# Altium PCB Copy of GameBoard_V1I1_083018.PcbDoc (part 9 of 21)
Units mil, origin at the board's own origin, x right, y up, seen from the top; angles counter-clockwise.
Board outline 7165.35 x 2763.78 mil, 12 copper layers (L1, L2, L3, L4, L5 (PWR), L6 (PWR), L7 (PWR), L8 (PWR), L9, L10, L11, L12), stack 61.575 mil thick; 1542 components, 1068 nets, 5447 pads, 3797 vias.
Unrouted connection lines stored in the file: 105.
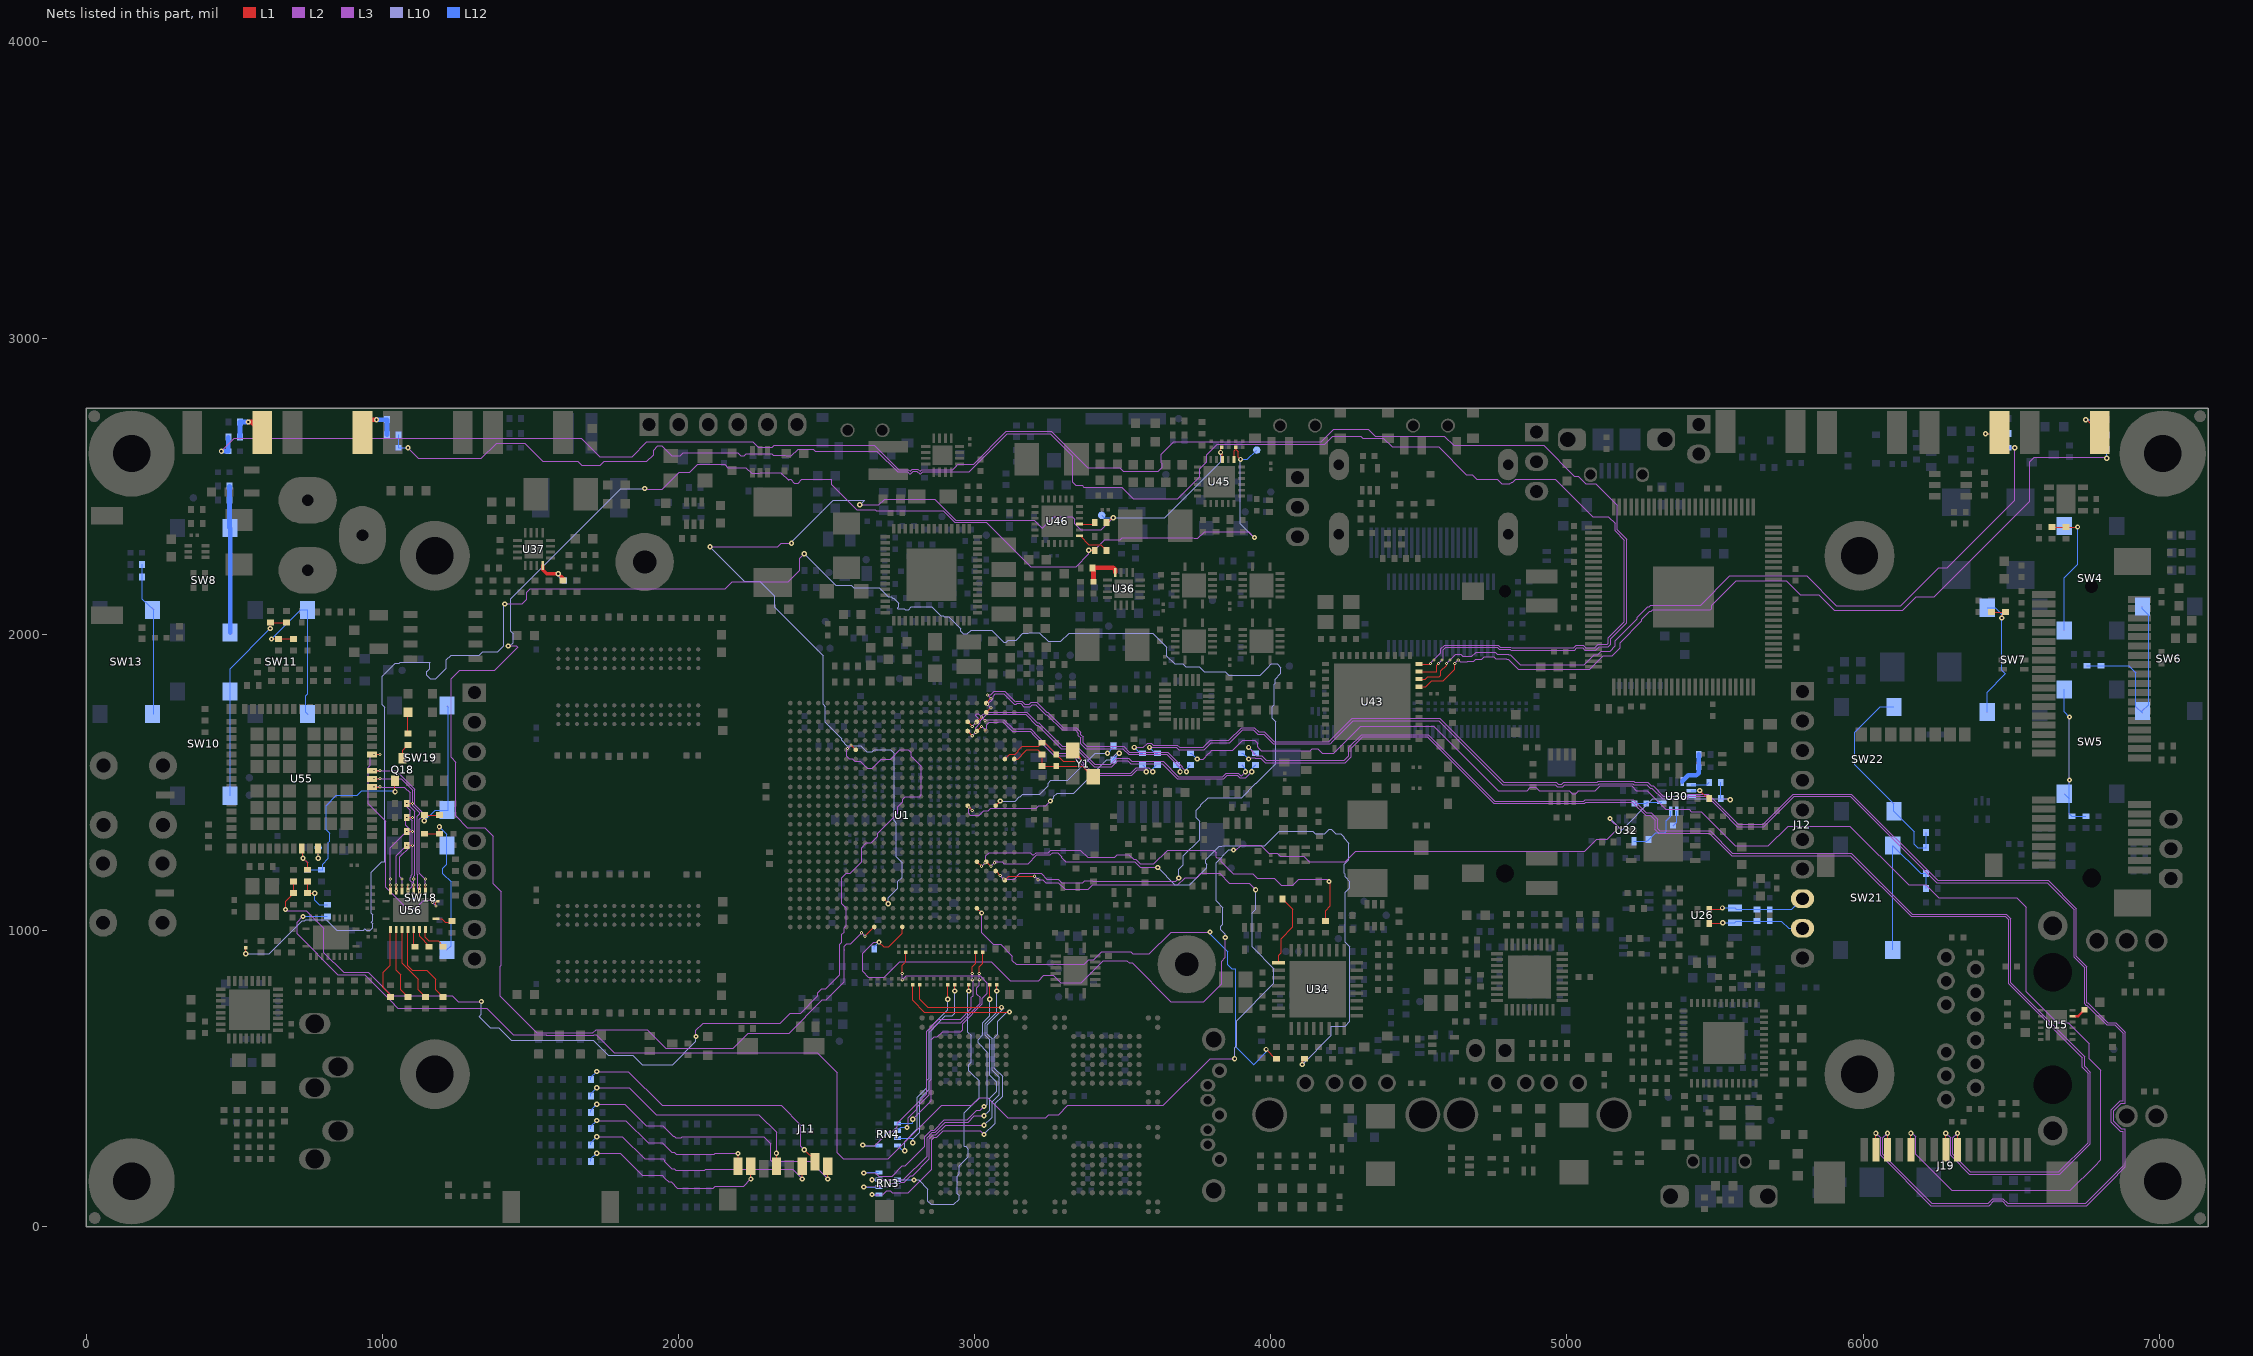
[diagram p19: the nets of this part, all layers, seen from the top]

## Via types
v1: diameter 17.72, hole 7.87, L1 to L12, 1936 vias
v2: diameter 17.72, hole 7.87, L1 to L12, tented both sides, 999 vias
v3: diameter 10.63, hole 3.94, L1 to L2, 337 vias
v4: diameter 10.63, hole 3.94, L2 to L3, 335 vias
v5: diameter 10.63, hole 3.94, L10 to L11, 96 vias
v6: diameter 10.63, hole 3.94, L11 to L12, 94 vias

## Nets (pads, with @x,y where several pads share a name; then routed paths per layer and width w, separated by ;. In a path a pad name is that pad's centre, name@x,y a point inside that pad or via, vN(x,y) a via of type N, cw(c..) or ccw(c..) an arc to the next point about the centre after c; other vN are vias at no path point) (continued)
BOOT_CFG_22: R664.2 RN4.8 | length 786.5
  L1 w3.94: v3(3015.75,854.33) 3015.75,877.95 3027.56,889.76 R664.2@3027.56,926.57
  L3 w3.94: v2(2771.65,334.65) 2776.57,339.57 2776.57,368.32 2805.12,396.86 2805.12,403.54 2846.46,444.88 2846.46,656.92 2878.51,688.98 2952.76,688.98 3018.7,754.92 3018.7,773.83 3007.87,784.66 3007.87,807.09 3015.75,814.96 v4(3015.75,833.27)
  L2 w3.94: v4(3015.75,833.27) v3(3015.75,854.33)
  L12 w3.94: RN4.8@2740.16,323.54 2751.26,334.65 v2(2771.65,334.65)
BOOT_CFG_23: R665.2 RN4.10 | length 651.7
  L1 w3.94: v2(2909.45,767.72) R665.2@2909.45,816.34
  L10 w3.94: v2(2763.78,255.91) 2763.78,286.88 2807.09,330.19 2807.09,437.01 2838.58,468.5 2838.58,493.48 2846.46,501.35 2846.46,664.8 2847.44,665.78 2847.44,666.86 2854.33,673.75 2854.33,677.17 2909.45,732.28 v2(2909.45,767.72)
  L12 w3.94: RN4.10@2740.16,273.54 2757.8,255.91 v2(2763.78,255.91)
BOOT_CFG_24: R666.2 RN4.2 | length 943.2
  L1 w3.94: v3(2992.13,854.33) 2992.13,877.95 3003.94,889.76 R666.2@3003.94,925.2
  L3 w3.94: v2(2622.05,275.59) 2624.09,273.54 2663.31,273.54 2709.65,319.88 2721.3,319.88 2739.17,337.76 2739.17,349.41 2838.58,448.82 2838.58,660.18 2879.19,700.79 2952.76,700.79 2989.17,737.2 2989.17,773.83 2995.08,779.74 2995.08,830.31 v4(2992.13,833.27)
  L2 w3.94: v4(2992.13,833.27) v3(2992.13,854.33)
  L12 w3.94: v2(2622.05,275.59) 2624.09,273.54 RN4.2@2677.17,273.54
BOOT_CFG_25: R667.2 RN4.7 | length 1072.2
  L1 w3.94: v3(2755.91,854.33) 2755.91,881.89 2767.72,893.7 R667.2@2767.72,926.57
  L3 w3.94: v4(2755.91,833.27) 2769.09,846.46 3019.26,846.46 3043.31,822.41 3043.31,787.4 3026.57,770.67 3026.57,751.66 2960.63,685.71 2960.63,665.35 2953.74,658.46 2891.94,658.46 2874.23,640.75 2863.96,640.75 2854.33,631.12 2854.33,425.2 v2(2791.34,362.2)
  L2 w3.94: v4(2755.91,833.27) v3(2755.91,854.33)
  L12 w3.94: RN4.7@2740.16,348.5 2741.06,349.41 2777.77,349.41 2778.67,348.5 2789.29,348.5 2791.34,350.55 v2(2791.34,362.2)
BOOT_CFG_26: R668.2 RN3.8 | length 1071.3
  L1 w3.94: v2(2980.32,795.28) R668.2@2980.32,816.34
  L10 w3.94: v2(2795.28,157.48) 2811.02,157.48 2842.52,125.98 2842.52,85.26 2852.98,74.8 2930.33,74.8 2947.83,92.31 2947.83,104.54 2941.98,110.4 2941.98,149.92 2940.95,150.96 2940.95,157.48 2941.93,158.46 2941.93,170.79 2948.82,177.68 2948.82,204.72 2979.33,235.24 2979.33,262.02 2970.68,270.67 2964.57,270.67 2964.57,384.48 3015.75,435.66 3015.75,492.13 2991.14,516.73 2989.95,516.73 2980.32,526.37 2980.32,547.24 2988.19,555.12 2988.19,645.67 2977.36,656.5 2977.36,792.32 v2(2980.32,795.28)
  L12 w3.94: RN3.8@2740.16,158.19 2763.78,158.19 2764.49,157.48 v2(2795.28,157.48)
BOOT_CFG_27: R669.2 RN3.3 | length 1389
  L1 w3.94: R669.2@2814.96,816.34 2814.96,767.72 2842.52,740.16 v2(3090.55,740.16)
  L3 w3.94: v2(2625.98,133.86) 2708.66,133.86 2720.72,145.91 2747.42,145.91 2751.82,150.32 2762.96,150.32 2784.89,172.24 2790.35,172.24 2847.44,229.33 2847.44,296.78 2860.7,310.04 2869.55,310.04 2902.03,342.52 v2(3031.5,342.52)
  L10 w3.94: v2(3031.5,342.52) 3059.06,370.08 3059.06,421.26 3082.68,444.88 3082.68,503.94 3059.06,527.56 3059.06,633.86 3043.31,649.61 3043.31,681.78 3098.43,736.9 3090.55,744.77 v2(3090.55,740.16)
  L12 w3.94: v2(2625.98,133.86) 2626.69,133.15 RN3.3@2677.17,133.15
BOOT_CFG_28: R670.2 RN4.9 | length 676.2
  L1 w3.94: v2(2933.07,795.28) R670.2@2933.07,816.34
  L10 w3.94: v2(2791.34,283.46) 2791.34,295.28 2815.37,319.31 2815.37,423.67 2816.31,424.61 2816.31,433.07 2846.46,463.22 2846.46,490.22 2854.33,498.09 2854.33,661.53 2855.32,662.52 2855.32,663.6 2862.2,670.49 2862.2,673.23 2901.57,712.6 2925.2,712.6 2933.07,720.47 v2(2933.07,795.28)
  L12 w3.94: RN4.9@2740.16,298.5 2794.57,298.5 2791.34,295.28 v2(2791.34,283.46)
BOOT_CFG_29: R671.2 RN3.2 | length 1435
  L1 w3.94: R671.2@2791.34,816.34 2791.34,763.78 2830.71,724.41 v2(3118.11,724.41)
  L3 w3.94: v2(2653.54,108.19) 2689.67,108.19 2702.55,121.06 2714.78,121.06 2721.67,114.17 2775.59,114.17 2855.32,193.9 2855.32,293.52 2863.96,302.17 2872.81,302.17 2893.48,322.83 3019.69,322.83 v2(3031.5,311.02)
  L10 w3.94: v2(3031.5,311.02) 3069.88,349.41 3069.88,416.34 3094.49,440.94 3094.49,507.87 3066.93,535.43 3066.93,637.8 3078.74,649.61 3078.74,692.91 3114.17,728.35 v2(3118.11,724.41)
  L12 w3.94: v2(2653.54,108.19) RN3.2@2677.17,108.19
BOOT_CFG_30: R672.2 RN3.4 | length 1020.2
  L1 w3.94: v2(3074.8,795.28) R672.2@3074.8,816.34
  L3 w3.94: v2(2653.54,158.19) 2759.7,158.19 2839.57,238.06 2839.57,300.04 2857.44,317.91 2866.29,317.91 2900.9,352.52 2977.83,352.52 2999.32,374.02 v2(3031.5,374.02)
  L10 w3.94: v2(3031.5,374.02) 3051.18,393.7 3051.18,432.8 3074.8,456.42 3074.8,488.19 3051.18,511.81 3051.18,630.6 3035.43,646.34 3035.43,685.04 3074.8,724.41 v2(3074.8,795.28)
  L12 w3.94: v2(2653.54,158.19) RN3.4@2677.17,158.19
BOOT_CFG_31: R673.2 RN3.5 | length 1025.9
  L1 w3.94: v2(3051.18,767.72) R673.2@3051.18,816.34
  L3 w3.94: v2(2625.98,181.1) 2665.35,181.1 2676.18,170.28 2721.46,170.28 2755.91,204.72 2765.69,204.72 2831.69,270.73 2831.69,303.3 2854.18,325.79 2863.03,325.79 2897.64,360.4 2974.57,360.4 3007.87,393.7 3019.69,393.7 v1(3031.5,405.51)
  L10 w3.94: v1(3031.5,405.51) 3035.43,405.51 3043.31,413.39 3043.31,589.36 3011.81,620.85 3011.81,631.27 3027.56,647.02 3027.56,653.54 3027.56,688.3 3051.18,711.92 v2(3051.18,767.72)
  L12 w3.94: v2(2625.98,181.1) 2628.03,183.15 RN3.5@2677.17,183.15
BOOT_CLK: J11.5 R618.2 R619.2 | length 819.4
  L1 w3.66: J11.5@2331.3,203.74 v2@2331.3,248.03
  L3 w3.66: v1(1724.41,468.5) 1834.09,468.5 1924.65,377.95 2271.65,377.95 2331.3,318.31 v2@2331.3,248.03
  L12 w3.66: R618.2@1704.72,440.95 1704.72,448.82 v1(1724.41,468.5)
  other v2: 2330.71,248.03
BOOT_CMD: J11.3 R616.2 R617.2 | length 835.8
  L1 w3.66: v2(2417.91,160.83) J11.3@2417.91,203.74
  L3 w3.66: v1(1724.41,303.15) 1811.02,303.15 1885.83,228.35 1948.62,228.35 1953.88,223.09 1953.88,219.03 1977.45,195.45 1985.58,195.45 1990.94,190.1 2088.74,190.1 2091.55,192.91 2385.83,192.91 v2(2417.91,160.83)
  L12 w3.66: R616.2@1704.72,275.59 1704.72,283.46 v1(1724.41,303.15)
BOOT_DATA0: J11.7 R221.2 R229.2 | length 660.7
  L1 w3.66: v2(2244.69,160.83) J11.7@2244.69,203.74
  L3 w3.66: v1(1724.41,248.03) 1803.25,248.03 1878.05,173.23 1944.69,173.23 1953.88,164.04 1953.88,163.91 1967.06,150.73 1975.26,150.73 1996.06,129.92 2117.11,129.92 2123.86,136.67 2220.53,136.67 v2(2244.69,160.83)
  L12 w3.66: R221.2@1704.72,220.47 1704.72,228.35 v1(1724.41,248.03)
BOOT_DATA1: J11.8 R230.2 R559.2 | length 604.2
  L1 w3.66: J11.8@2201.38,203.74 v2(2201.38,246.65)
  L3 w3.66: v1(1724.41,358.27) 1822.83,358.27 1897.64,283.46 1944.69,283.46 1953.88,274.27 1953.88,274.14 1977.45,250.57 1985.58,250.57 1992.06,244.09 2121.05,244.09 2123.86,246.91 2201.12,246.91 v2(2201.38,246.65)
  L12 w3.66: R230.2@1704.72,330.71 1704.72,338.58 v1(1724.41,358.27)
BOOT_DATA2: J11.1 R560.2 R561.2 | length 997.8
  L1 w3.66: v2(2504.53,160.83) J11.1@2504.53,203.74
  L3 w3.66: v1(1724.41,413.39) 1818.9,413.39 1891.16,341.12 1946.28,341.12 1953.88,333.52 1953.88,333.2 1967.06,320.02 1967.38,320.02 1981.71,305.69 1985.58,305.69 1990.94,300.33 2010,300.33 2012.31,302.65 2287.9,302.65 2311.02,279.53 2311.02,224.41 2314.96,220.47 2444.88,220.47 v2(2504.53,160.83)
  L12 w3.66: R560.2@1704.72,385.83 1704.72,393.7 v1(1724.41,413.39)
BOOT_DATA3: J11.2 R580.2 R615.2 | length 942.5
  L1 w3.66: v2(2425.2,259.84) 2461.22,223.82 J11.2@2461.22,219.49
  L3 w3.66: v1(1724.41,523.62) 1830.71,523.62 1944.88,409.45 2346.46,409.45 2413.39,342.52 2413.39,271.65 v2(2425.2,259.84)
  L12 w3.66: R580.2@1704.72,496.06 1704.72,503.94 v1(1724.41,523.62)
BOOT_MODE0: R82.1 R86.2 U1.C12 | length 488.4
  L1 w3.94: U1.C12@3070.87,1421.26 v1(3086.61,1437.01)
  L10 w3.94: v1(3086.61,1437.01) 3136.6,1437.01 3151.36,1451.77 3154.56,1451.77 3162.16,1459.37 3219.21,1459.37 3248.03,1488.19 3248.03,1497.26 3257.66,1506.89 3315.11,1506.89 3406.64,1598.43 v1(3448.82,1598.43)
  L12 w3.94: v1(3448.82,1598.43) 3468.5,1618.11 R86.2@3468.5,1622.05
BOOT_MODE1: R81.1 R85.2 U1.F12 | length 695.8
  L1 w3.94: U1.F12@2976.38,1421.26 v3(2992.13,1405.51)
  L3 w3.94: v4(2980.31,1417.32) 2980.31,1395.05 2985.6,1389.76 3015.63,1389.76 3030.79,1404.92 3046.65,1404.92 3055.12,1413.39 3208.14,1413.39 3216.02,1421.26 3240.16,1421.26 v2(3255.91,1437.01)
  L10 w3.94: v2@3259.84,1437.01 v2(3255.91,1437.01) 3267.72,1448.82 3267.72,1452.76 3278.54,1463.58 3334.34,1463.58 3446.82,1576.06 3458.08,1576.06 3480.44,1598.43 v1(3488.19,1598.43)
  L2 w3.94: v4(2980.31,1417.32) v3(2992.13,1405.51)
  L12 w3.94: R81.1@3468.5,1574.8 3468.5,1578.74 v1(3488.19,1598.43)
BT_AUD_CLK: U55.60 U56.1 | length 766.4
  L1 w3.94: U55.60@965.55,1594.49 v3(992.13,1594.49) ; v3(1181.1,1082.68) U56.1@1181.1,1098.43
  L3 w3.94: v4(972.44,1594.49) 965.55,1594.49 959.65,1588.58 959.65,1557.55 952.76,1550.66 952.76,1427.81 1011.81,1368.75 1011.81,1145.67 1082.68,1074.8 1114.17,1074.8 1126.97,1087.6 1126.97,1088.79 1140.54,1102.36 1161.42,1102.36 v4(1169.29,1094.49)
  L2 w3.94: v4(972.44,1594.49) v3(992.13,1594.49) ; v4(1169.29,1094.49) v3(1181.1,1082.68)
BT_AUD_FSYNC: U55.58 U56.3 | length 576.1
  L1 w3.94: U55.58@965.55,1539.37 991.14,1539.37 v3(992.13,1540.35) ; U56.3@1145.67,1133.86 v3(1145.67,1153.54)
  L3 w3.94: v4@972.44,1539.37 1047.24,1539.37 1110.24,1476.38 1110.24,1423.8 1135.46,1398.58 1135.46,1384.69 1125.39,1374.62 1125.39,1269.71 ; 1125.39,1269.71 1125.39,1193.5 v4(1145.67,1173.23)
  L2 w3.94: v4(972.44,1540.35) v3(992.13,1540.35) ; v3(1145.67,1153.54) v4(1145.67,1173.23)
BT_AUD_IN: U55.56 U56.5 | length 515.2
  L1 w3.94: U55.56@965.55,1484.25 991.14,1484.25 v3(992.13,1485.24) ; U56.5@1106.3,1133.86 v3(1106.3,1153.54)
  L3 w3.94: v4@972.44,1484.25 1074.8,1484.25 1094.49,1464.57 1094.49,1417.28 1109.65,1402.12 1109.65,1276.23 1109.65,1187.15 1106.3,1183.8 v4(1106.3,1173.23)
  L2 w3.94: v4(972.44,1485.24) v3(992.13,1485.24) ; v3(1106.3,1153.54) v4(1106.3,1173.23)
BT_AUD_OUT: U55.57 U56.4 | length 588
  L1 w3.94: U55.57@965.55,1511.81 991.14,1511.81 v3(992.13,1512.8) ; v4(1125.98,1133.86) v3(1125.98,1153.54)
  L3 w3.94: v4@972.44,1511.81 1063.67,1511.81 1102.36,1473.12 1102.36,1420.54 1125.98,1396.92 1125.98,1393.7 1117.52,1385.24 1117.52,1272.97 1117.52,1190.24 1119.09,1188.67 1119.09,1140.75 v4(1125.98,1133.86)
  L2 w3.94: v4(972.44,1512.8) v3(992.13,1512.8) ; v4(1125.98,1133.86) v3(1125.98,1153.54)
BT_CSPI_RXD: R529.2 U56.16 | length 56.7
  L1 w3.94: U56.16@1106.3,1003.94 1106.3,952.76 R529.2@1110.24,948.82
BT_CSPI_TXC: R526.2 U56.20 | length 63.3
  L1 w3.94: U56.20@1181.1,1039.37 1200.79,1039.37 1212.6,1027.56 1228.35,1027.56 R526.2@1236.22,1035.43
BT_CSPI_TXD: R528.2 U56.17 | length 68.2
  L1 w3.94: U56.17@1125.98,1003.94 1125.98,980.31 R528.2@1157.48,948.82
BT_CSPI_TXFS: R527.2 U56.18 | length 98
  L1 w3.94: U56.18@1145.67,1003.94 1145.67,976.38 1157.48,964.57 1188.98,964.57 R527.2@1204.72,948.82
BT_EN: Q18.1 R548.2 R554.1 R556.1 U55.41 | length 700.4
  L1 w3.94: U55.41@728.35,1276.57 732.28,1272.64 v1(732.28,1244.09) 748.03,1228.35 R548.2@748.03,1204.72 ; Q18.1@1042.72,1505.96 1042.72,1469.09 v1(1043.31,1468.5)
  L12 w3.94: v1(732.28,1244.09) 748.03,1228.35 R554.1@748.03,1204.72 R556.1@795.28,1204.72 798.23,1204.72 798.23,1223.43 817.91,1243.11 817.91,1298.02 821.85,1301.96 821.85,1327.76 810.04,1339.57 810.04,1421.47 844.28,1455.71 915.14,1455.71 930.89,1471.46 1040.35,1471.46 v1(1043.31,1468.5)
BT_EN_D: Q18.3 R516.2 | length 52.8
  L1 w3.94: Q18.3@1068.31,1580.77 1068.31,1607.68 R516.2@1086.61,1625.98
BT_EN_LED: D54.1 R516.1 | length 70.9
  L1 w3.94: R516.1@1086.61,1665.35 D54.1@1086.61,1736.22
BT_EN_R: R548.1 R550.2 R623.2 R624.2 | length 136.4
  L1 w3.94: R548.1@748.03,1165.35 R550.2@748.03,1125.98 v1(771.65,1125.98)
  L12 w3.94: v1(771.65,1125.98) 771.65,1102.36 787.4,1086.61 R623.2@814.96,1086.61
BT_HCI_CTS: R514.1 U56.9 | length 263
  L1 w3.94: U56.9@1027.56,1133.86 v3(1027.56,1153.54) ; v4(1082.68,1334.65) v3(1102.36,1334.65)
  L3 w3.94: v4(1027.56,1173.23) 1027.56,1279.53 v4(1082.68,1334.65)
  L2 w3.94: v3(1027.56,1153.54) v4(1027.56,1173.23) ; v4(1082.68,1334.65) v3(1102.36,1334.65)
BT_HCI_RTS: R512.1 U56.8 | length 247
  L1 w3.94: v4(1047.24,1133.86) v3(1047.24,1153.54) ; v4(1082.68,1287.4) v3(1102.36,1287.4)
  L3 w3.94: v4(1047.24,1133.86) 1047.24,1251.97 v4(1082.68,1287.4)
  L2 w3.94: v4(1047.24,1133.86) v3(1047.24,1153.54) ; v4(1082.68,1287.4) v3(1102.36,1287.4)
BT_HCI_RX: R517.1 U56.6 | length 393.8
  L1 w3.94: v4(1082.68,1429.13) v3(1102.36,1429.13) ; v4(1086.61,1133.86) v3(1086.61,1153.54)
  L3 w3.94: v4(1082.68,1429.13) 1082.68,1417.96 1094.49,1406.15 1094.49,1377.12 1101.77,1369.84 1101.77,1326.74 1101.77,1190.41 1098.43,1187.07 1098.43,1181.22 1095.08,1177.88 1095.08,1168.58 1101.65,1162.01 1101.77,1162.01 1101.77,1149.02 v4(1086.61,1133.86)
  L2 w3.94: v4(1082.68,1429.13) v3(1102.36,1429.13) ; v4(1086.61,1133.86) v3(1086.61,1153.54)
BT_HCI_TX: R515.1 U56.7 | length 315.1
  L1 w3.94: U56.7@1066.93,1133.86 v3(1066.93,1153.54) ; v4(1082.68,1381.89) v3(1102.36,1381.89)
  L3 w3.94: v4(1066.93,1173.23) 1059.19,1180.96 1059.19,1248.05 1093.9,1282.75 1093.9,1330 1093.9,1339.29 1078.74,1354.45 1078.74,1372.51 1085.4,1379.17 v4(1082.68,1381.89)
  L2 w3.94: v3(1066.93,1153.54) v4(1066.93,1173.23) ; v4(1082.68,1381.89) v3(1102.36,1381.89)
BT_UART_CTS: R531.2 R628.2 U56.12 | length 247.9
  L1 w3.94: R531.2@1027.56,775.59 1027.56,783.46 1003.94,807.09 1003.94,858.27 1027.56,881.89 U56.12@1027.56,1003.94
BT_UART_DBG: TP59.1 U55.43 | length 67.9
  L1 w3.94: v1(783.46,1244.09) U55.43@783.46,1276.57
  L12 w3.94: v1(783.46,1244.09) TP59.1@783.46,1279.53
BT_UART_RTS: R530.2 R627.2 U56.13 | length 244.7
  L1 w3.94: U56.13@1047.24,1003.94 1047.24,866.14 1062.99,850.39 1062.99,799.21 R530.2@1086.61,775.59
BT_UART_RXD: R220.2 R585.2 U56.14 | length 261
  L1 w3.94: U56.14@1066.93,1003.94 1066.93,889.76 1122.05,834.65 1122.05,799.21 R220.2@1145.67,775.59
BT_UART_TXD: R584.2 R586.2 U56.15 | length 305.3
  L1 w3.94: U56.15@1086.61,1003.94 1086.61,881.21 1101.69,866.14 1149.61,866.14 1181.1,834.65 1181.1,799.21 R584.2@1204.72,775.59
BTN_OR_USER_LED_4: R287.1 R288.1 U34.1 | length 250.2
  L1 w3.66: U34.1@4026.57,890.75 4026.57,916.34 4035.43,925.2 4035.43,972.44 4074.8,1011.81 4074.8,1070.87 R287.1@4039.37,1106.3
BUMP_L1: C407.1 R408.1 U43.19 | length 2957.2
  L1 w3.94: U43.19@4500,1822.83 4523.62,1822.83 4543.31,1842.52 4582.68,1842.52 4621.45,1881.29 v3(4621.45,1901.57)
  L3 w3.94: v4(4633.26,1913.39) 4639.01,1907.63 4663.02,1907.63 4664.84,1909.45 4685.2,1909.45 4692.09,1916.34 4712.45,1916.34 4720.32,1924.21 4752.12,1924.21 4759.01,1917.32 4794.85,1917.32 4796.82,1915.35 4802.53,1915.35 4836,1881.89 5076.56,1881.89 5121.84,1927.17 5152.44,1927.17 5179.29,1954.01 5179.29,1971.86 5252.95,2045.53 5252.95,2050.66 5280.05,2077.76 5285.18,2077.76 5290.1,2082.68 5484.25,2082.68 5488.19,2086.61 5488.19,2097.75 5571.54,2181.1 5740.16,2181.1 5787.4,2133.86 5850.39,2133.86 5902.93,2081.33 6134.53,2081.33 6179.19,2125.98 6240.16,2125.98 6562.99,2448.82 6562.99,2582.68 6578.74,2598.43 6818.9,2598.43 v1(6822.83,2594.49)
  L2 w3.94: v3(4621.45,1901.57) v4(4633.26,1913.39)
  L12 w3.94: v1(6822.83,2594.49) C407.1@6822.83,2625.98 R408.1@6822.83,2673.23
BUMP_L2: C406.1 R411.1 U43.20 | length 2653.1
  L1 w3.94: U43.20@4500,1848.43 4521.65,1848.43 4529.53,1856.3 4568.9,1856.3 4574.8,1862.2 4574.8,1876.66 4593.89,1895.75 v3(4593.89,1901.57)
  L3 w3.94: v4(4605.7,1913.39) 4624.8,1932.48 4641.17,1932.48 4648.45,1925.2 4678.67,1925.2 4693.44,1939.96 4735.7,1939.96 4758.64,1939.96 4765.53,1933.07 4801.37,1933.07 4803.34,1931.1 4809.06,1931.1 4842.52,1897.64 5059.06,1897.64 5089.57,1928.15 5089.57,1928.3 5092.37,1931.1 5103.5,1931.1 5115.31,1942.91 5145.92,1942.91 5163.54,1960.53 5163.54,1978.38 5237.2,2052.05 5237.2,2057.18 5273.53,2093.5 5278.66,2093.5 5283.58,2098.43 5451.77,2098.43 5550.2,2196.85 5809.67,2196.85 5909.45,2097.07 6128.01,2097.07 6255.35,2224.41 6283.46,2224.41 6511.81,2452.76 v1(6511.81,2629.92)
  L2 w3.94: v3(4593.89,1901.57) v4(4605.7,1913.39)
  L12 w3.94: R411.1@6492.13,2677.17 6492.13,2633.86 6496.06,2629.92 v1(6511.81,2629.92)
BUMP_R1: C409.1 R409.1 U43.21 | length 6442.5
  L1 w3.94: U43.21@4500,1874.02 4561.02,1874.02 4561.02,1895.67 v3(4566.93,1901.57)
  L3 w3.94: v1(456.69,2618.11) 500,2661.42 1672.03,2661.42 1734.04,2599.41 1843.5,2599.41 1893.7,2649.61 2250.77,2649.61 2269.48,2630.91 2316.72,2630.91 2323.61,2637.8 2661.42,2637.8 2743.11,2556.1 2776.73,2556.1 2782.3,2550.53 2789.84,2558.07 2808.59,2558.07 2816.13,2550.53 2821.69,2556.1 2926.7,2556.1 2939.96,2569.36 2939.96,2570.19 2944.57,2574.8 2997.05,2574.8 3107.28,2685.04 3259.17,2685.04 3382.2,2562.01 3490.37,2562.01 3501.19,2551.18 3619.3,2551.18 3632.87,2564.75 3632.87,2576.98 3630.91,2578.95 3630.91,2608.48 3672.03,2649.61 4169.97,2649.61 4213.27,2692.91 4328.68,2692.91 4352.3,2669.29 4585.57,2669.29 4617.07,2637.8 4921.26,2637.8 5024.61,2534.45 5037.61,2534.45 5063.2,2508.86 5093.17,2508.86 5093.38,2509.07 5097.23,2509.07 5170.28,2436.02 5170.28,2352.46 5201.77,2320.96 5201.77,2038.89 5147.79,1984.91 5147.79,1967.05 5139.4,1958.66 5108.79,1958.66 5096.98,1946.85 5060.56,1946.85 5052.68,1954.72 5033.93,1954.72 5026.06,1946.85 4809.86,1946.85 4807.9,1948.82 4772.06,1948.82 4765.17,1955.71 4590.24,1955.71 4582.68,1948.14 4582.68,1917.32 v4(4578.74,1913.39)
  L2 w3.94: v3(4566.93,1901.57) v4(4578.74,1913.39)
  L12 w15.75: v1(456.69,2618.11) C409.1@480.32,2618.11 R409.1@480.32,2665.35
BUMP_R2: C408.1 R412.1 U43.22 | length 5916.9
  L1 w3.94: U43.22@4500,1899.61 4537.4,1899.61 v3(4539.37,1901.57)
  L3 w3.94: v1(1086.61,2629.92) 1122.05,2594.49 1334.65,2594.49 1385.83,2645.67 1480.31,2645.67 1542.09,2583.9 1660.57,2583.9 1673.6,2570.87 1736.22,2570.87 1749.25,2583.9 1893.63,2583.9 1916.08,2606.35 1916.08,2622 1930.89,2636.81 1943.12,2636.81 1977.57,2602.36 2005.96,2602.36 2016.79,2613.19 2200.58,2613.19 2210.42,2603.35 2222.65,2603.35 2229.54,2610.24 2315.74,2610.24 2320.66,2605.31 2361.32,2605.31 2364.27,2602.36 2381.37,2602.36 2404.01,2625 2454.93,2625 2461.82,2618.11 2669.97,2618.11 2739.85,2548.23 2773.47,2548.23 2780.15,2541.55 2784.45,2541.55 2793.1,2550.2 2805.33,2550.2 2813.98,2541.55 2818.27,2541.55 2824.95,2548.23 2981.61,2548.23 3110.54,2677.17 3255.91,2677.17 3331.69,2601.38 3331.69,2513.57 3342.31,2502.95 3362.67,2502.95 3368.58,2497.05 3496.06,2497.05 3535.43,2457.68 3686.02,2457.68 3759.84,2531.5 3759.84,2558.46 3783.46,2582.08 3783.46,2606.3 3818.9,2641.73 4182.45,2641.73 4210.01,2669.29 4303.15,2669.29 4311.02,2661.42 4380.54,2661.42 4409.45,2632.51 4567.09,2632.51 4660.22,2539.37 4679.75,2539.37 4695.5,2523.62 4765.01,2523.62 4780.76,2507.87 4807.09,2507.87 4813.39,2514.17 4817.49,2514.17 4827.33,2524.02 4960.24,2524.02 5086.61,2397.64 5139.61,2397.64 5162.4,2374.84 5162.4,2349.19 5193.9,2317.7 5193.9,2042.15 5139.92,1988.17 5139.92,1970.32 5136.14,1966.54 5105.53,1966.54 5093.72,1954.72 5063.82,1954.72 5055.95,1962.6 5030.67,1962.6 5022.79,1954.72 4813.13,1954.72 4811.16,1956.69 4775.32,1956.69 4768.43,1963.58 4586.98,1963.58 4574.8,1951.4 4574.8,1937.01 v4(4551.18,1913.39)
  L2 w3.94: v3(4539.37,1901.57) v4(4551.18,1913.39)
  L12 w3.94: R412.1@1055.12,2673.23 C408.1@1055.12,2629.92 v1(1086.61,2629.92)
BUT_L1: R404.1 R408.2 SW14.2 | length 147.9
  L1 w3.94: v1(6751.97,2724.41) 6755.91,2724.41 SW14.2@6799.21,2681.1
  L12 w3.94: v1(6751.97,2724.41) R404.1@6783.46,2724.41 R408.2@6783.46,2673.23
BUT_L2: R405.1 R411.2 SW16.2 | length 135.5
  L1 w3.94: v1(6413.39,2677.17) 6456.69,2677.17 SW16.2@6460.63,2681.1
  L12 w3.94: v1(6413.39,2677.17) R411.2@6452.76,2677.17 ; R411.2@6452.76,2681.1 R405.1@6452.76,2728.35
BUT_LD: R377.1 R381.2 SW5.3 SW5.4 | length 511
  L10 w3.94: v1(6696.85,1507.87) v1(6696.85,1720.47)
  L12 w3.94: SW5.3@6679.13,1461.61 SW5.3@6696.85,1443.9 ; SW5.4@6679.13,1813.98 6679.13,1738.19 v1(6696.85,1720.47) ; v1(6696.85,1507.87) SW5.3@6696.85,1443.9 ; R381.2@6751.97,1385.83 R377.1@6704.72,1385.83 6696.85,1393.7 SW5.3@6696.85,1443.9
BUT_LL: R378.1 R383.2 SW6.3 SW6.4 | length 697.1
  L12 w3.94: R383.2@6755.91,1893.7 6897.64,1893.7 6921.26,1870.08 6921.26,1755.91 6942.91,1734.25 SW6.3@6942.91,1741.14 6964.57,1762.8 6964.57,2064.96 6942.91,2086.61 SW6.4@6942.91,2093.5